# KiCad board JumperlessV5r7.kicad_pcb (continued)
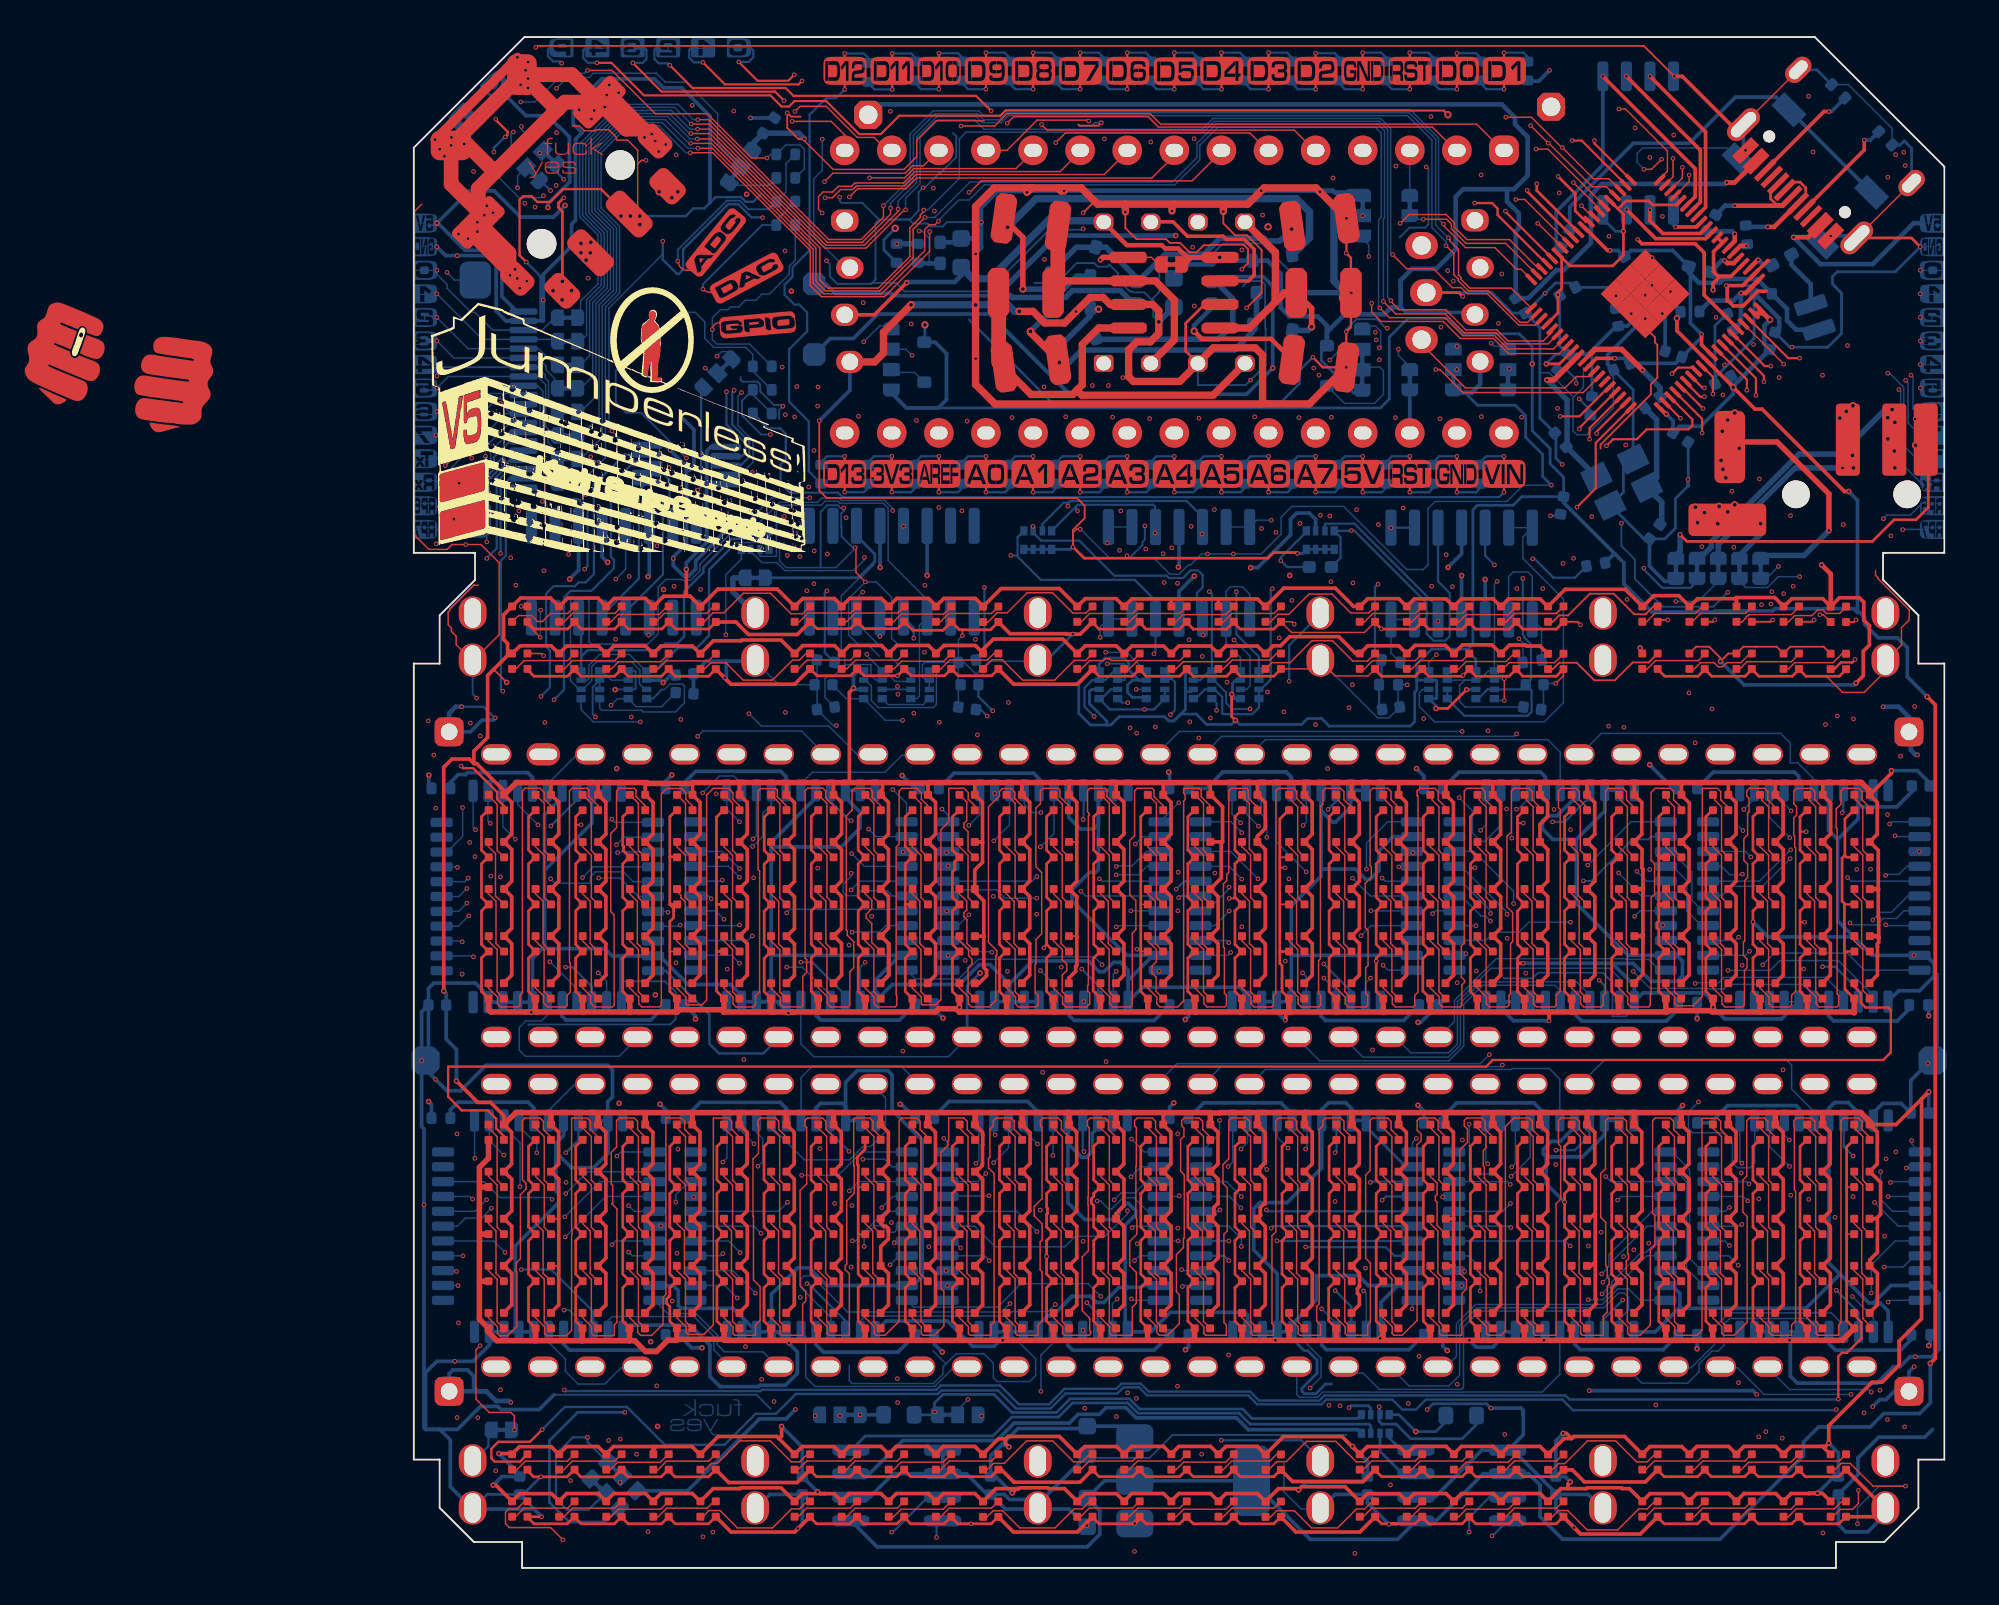
[diagram p0: board, top side]
## Routing (per net, layer and track width the routed paths; a pad name or vN(x,y) marks a point on that pad's centre or on a via; arc(x,y) is an arc through that point) (continued)
  Top w0.12: v1(41.02,79.74) 41.02,80.05 ; 41.02,81.44 v1(41.02,81.71)
  Bottom w0.12: v1(41.02,81.71) 42.02,81.71 42.29,81.44 42.29,81.22 ; 39.75,80.27 39.75,80.05 40.06,79.74 v1(41.02,79.74)
Net-(J1712-Pin_9): length 3.8
  Top w0.12: 43.56,80.05 43.56,79.74 v1(43.56,79.74) ; 43.56,81.44 v1(43.56,81.71)
  Bottom w0.12: 44.83,81.22 44.83,81.44 44.56,81.71 v1(43.56,81.71) ; v1(43.56,79.74) 42.6,79.74 42.29,80.05 42.29,80.27
Net-(J1712-Pin_10): length 3.8
  Top w0.12: 46.1,80.05 v1(46.1,79.74) ; 46.1,81.44 v1(46.1,81.71)
  Bottom w0.12: 47.37,81.22 47.37,81.44 47.1,81.71 v1(46.1,81.71) ; v1(46.1,79.74) 45.14,79.74 44.83,80.05 44.83,80.27
Net-(J1712-Pin_11): length 3.8
  Top w0.12: v1(48.64,79.74) 48.64,79.74 48.64,80.05 ; 48.64,81.44 v1(48.64,81.68)
  Bottom w0.12: 49.91,81.22 49.91,81.44 49.68,81.68 v1(48.64,81.68) ; 47.37,80.27 47.37,80.05 47.68,79.74 v1(48.64,79.74)
Net-(J1712-Pin_12): length 3.8
  Top w0.12: 51.18,81.44 v1(51.18,81.71) ; v1(51.18,79.74) 51.18,80.05
  Bottom w0.12: v1(51.18,81.71) 52.18,81.71 52.45,81.44 52.45,81.22 ; 49.91,80.27 49.91,80.05 50.22,79.74 v1(51.18,79.74)
Net-(J1712-Pin_13): length 3.8
  Top w0.12: v1(53.72,79.74) 53.72,80.05 ; 53.72,81.44 v1(53.72,81.71)
  Bottom w0.12: v1(53.72,81.71) 54.72,81.71 54.99,81.44 54.99,81.22 ; 52.45,80.27 52.45,80.05 52.76,79.74 v1(53.72,79.74)
Net-(J1712-Pin_14): length 3.8
  Top w0.12: 56.26,81.44 v1(56.26,81.68) ; v1(56.26,79.74) 56.26,80.05
  Bottom w0.12: v1(56.26,81.68) 57.3,81.68 57.53,81.44 57.53,81.22 ; 54.99,80.27 54.99,80.05 55.3,79.74 v1(56.26,79.74)
Net-(J1712-Pin_15): length 3.8
  Top w0.12: 58.8,81.46 v1(58.8,81.71) ; 58.8,80.06 58.8,79.74 v1(58.8,79.74)
  Bottom w0.12: R31.2 60.07,81.5 59.86,81.71 v1(58.8,81.71) ; 57.53,80.29 57.53,80.06 57.85,79.74 v1(58.8,79.74)
Net-(JP3-A): length 26.8
  Bottom w0.08: 24.87,54.27 24.87,54.23 24.81,54.16 ; 23.25,48.69 23.25,49.25 23.05,49.45 23.05,52.41 24.81,54.16 ; 23.25,48.69 23.27,48.72 24.65,48.72 24.65,48.16 24.93,47.88 RN4.2 ; 23.25,48.69 22.61,48.06 22.28,48.06 22.18,47.95 22.18,46.94 C1806.1 ; 24.81,54.16 24.81,54.09 24.11,53.39 JP3.1
  Bottom w0.15: JP3.1 23.99,53.39 24.87,54.27 24.87,54.66 23.88,55.66 U1807.3
Net-(JP4-A): length 78.7
  Top w0.08: v1(5.42,7.44) 5.42,8.19 5.23,8.39 4.07,8.39 3.35,9.1 3.35,11.76 v1(3.58,11.98)
  In1.Cu w0.08: v1(26.36,45.71) 25.8,45.15 3.86,45.15 v1(3.58,44.86)
  In2.Cu w0.08: v1(26.36,45.71) 26.36,47.6 26.55,47.79 26.55,49.57 26.36,49.76 26.36,56.11 v1(26.42,56.17) ; v1(3.58,44.86) 3.45,44.74 3.45,43.34 2.24,42.12 2.24,38.69 2.72,38.21 2.72,37.47 2.51,37.27 2.51,34.5 2.95,34.07 2.95,32.42 3.12,32.24 3.12,22.6 3.54,22.18 3.54,12.02 v1(3.58,11.98) 3.54,11.95
  Bottom w0.08: C1807.1 23.33,46.88 RN4.5 25.43,45.71 v1(26.36,45.71)
Net-(JP10-C): length 3.5
  In2.Cu w0.2: A1.4 v1(51.18,72.92)
Net-(JP11-A): length 2.8
  Bottom w0.08: R33.2 19.16,74.56 JP11.1
Net-(JP11-C): length 40.6
  In2.Cu w0.08: v1(2.17,56.56) 2.17,57.42 2.97,58.22 2.97,59.14 2.06,60.05 2.06,72.55 3.53,74.02 3.53,77.2 4,77.66 4.17,77.66 4.39,77.88 5.61,77.88 7.52,79.79 v1(7.7,79.79)
  Bottom w0.08: 2.06,56.56 v1(2.17,56.56) ; v1(7.7,79.79) 8.28,80.37 9.45,80.37 9.68,80.6 13.08,80.6 13.56,80.12 14.69,80.12 16.39,78.41 16.39,76.81 JP11.2
Net-(JP12-C): length 3.7
  In2.Cu w0.2: v1(56.25,64.63) 56.26,64.62 56.26,61.14
  Bottom w0.2: JP12.2 56.17,64.62 56.17,64.63 v1(56.25,64.63)
Net-(JP33-A): length 17.2
  Top w0.08: U5.18 60.68,70.05 59.1,71.63 56.8,71.63 56.12,72.32 56.12,72.54 55.68,72.98 53.68,72.98 v1(53.2,72.5)
  In2.Cu w0.08: v1(53.2,72.5) 53.11,72.41 v1(53.11,65.72)
  Bottom w0.08: JP7.2 53.11,65.39 v1(53.11,65.72)
Net-(JP33-B): length 8.2
  Top w0.08: v1(54.45,72.73) 55.7,72.73 55.96,72.47 55.96,72.22 56.75,71.43 58.89,71.43 U5.19
  Bottom w0.08: JP8.2 53.76,72.73 v1(54.45,72.73)
Net-(L2-Pad2): length 3.2
  Bottom w0.25: L2.2 75.35,69.23 74.31,70.27 R90.1
Net-(R32-Pad1): length 11.5
  Top w0.08: TP18.1 14.73,69.98 arc(14.43,70.09) 14.28,70.37 14.28,70.42 v1(14.24,70.46)
  Bottom w0.08: R34.2 20.08,74.21 20.08,75.73 R32.1
  Bottom w0.1: R34.2 19.14,73.27 18.04,73.27 17.58,73.73 16.89,73.73 14.24,71.08 v1(14.24,70.46)
Net-(R34-Pad1): length 7.9
  Top w0.08: TP24.1 16.03,68.78 arc(15.79,68.83) v1(15.6,68.96)
  Bottom w0.08: R34.1 19.56,72.67 R35.2
  Bottom w0.1: v1(15.6,68.96) 15.6,69.22 18.79,72.42 R35.2
Net-(R35-Pad1): length 13.8
  Top w0.08: 16.7,67.38 16.48,67.15 arc(16.21,67.04) v1(16.1,66.78)
  Top w0.1: TP16.1 16.7,67.38
  Bottom w0.08: R35.1 20.58,70.52 20.26,70.2 20.26,69.77 19.18,68.69 18.78,68.69 18.45,68.36 17.88,68.36 17.53,68 17.09,68 16.94,67.85 16.54,67.85 16.1,67.41 v1(16.1,66.78) 16.1,66.23 16.33,66 18.1,66 R36.2
Net-(RN2A-R1.1): length 1.7
  Bottom w0.15: 53.87,6.55 53.07,6.55 52.61,7.01 RN2.1
Net-(RN2B-R2.1): length 3.2
  Bottom w0.15: RN2.2 52.11,6.29 53.17,5.23 53.92,5.23
Net-(RN2C-R3.1): length 30
  Bottom w0.15: U4.8 24.35,7.11 31.24,7.11 32.26,8.14 34.77,8.14 35.53,8.9 38.51,8.9 39.06,8.34 44.52,8.34 45.11,7.75 51.52,7.75 51.61,7.66 RN2.3
Net-(RN2D-R4.1): length 30.6
  Bottom w0.2: 23.81,5.08 23.56,5.08 ; RN2.4 50.92,7.45 45.01,7.45 44.37,8.09 38.96,8.09 38.41,8.64 37.34,8.64 36.98,8.28 35.83,8.28 35.36,7.81 32.39,7.81 31.44,6.87 26.37,6.87 24.58,5.08 U4.7 22.8,5.08
Net-(RN7A-R1.2): length 7.2
  In1.Cu w0.08: v1(59.61,50.11) 58.99,49.49 55.4,49.49 v1(55.16,49.25)
  Bottom w0.08: v1(59.61,50.11) 59.82,49.89 R81.2 ; v1(55.16,49.25) 54.75,48.83 RN7.8
Net-(RN7C-R3.2): length 21.7
  Bottom w0.08: U7.6 U7.7 59.82,55.59 59.82,54.44 62.01,52.25 62.01,46.66 60.97,45.62 55.06,45.62 54.24,46.44 54.24,47.2 54.42,47.38 RN7.6
Net-(RN8D-R4.2): length 87.7
  In2.Cu w0.08: v1(11.13,4.61) 10.08,5.65 10.08,7.12 10.62,7.65 10.62,13.98 9.91,14.69 9.91,24.98 10.46,25.53 10.46,29.27 10.36,29.37 10.36,37.88 10.11,38.13 10.11,40.34 10.48,40.71 10.48,43.28 10.64,43.44 v1(10.64,46.52) 10.41,46.74 10.41,52.84 v1(10.9,53.32) 9.92,54.3 9.92,58.89 8.32,60.49 8.32,68.14 8.84,68.66 8.84,69.34 8.7,69.49 8.7,72.44 7.17,73.97 7.02,73.97 v1(6.99,73.99)
  Bottom w0.08: v1(10.9,53.32) 11.43,53.86 U10.5 ; U12.3 11.13,4.83 v1(11.13,4.61) ; NOREF#5.4 2.13,77.76 3.97,75.92 3.97,75.59 5.67,73.89 6.89,73.89 v1(6.99,73.99) ; C10.1 13.36,46.44 12,46.44 RN8.5 10.99,46.88 v1(10.64,46.52)
Net-(RN10A-R1.1): length 1.7
  Bottom w0.08: RN10.1 10.17,48.38 10.67,47.88 RN8.7
Net-(RN10A-R1.2): length 18.9
  Bottom w0.08: 19.04,55.47 19.17,55.59 RN12.8
  Bottom w0.13: U10.14 9.03,51.11 RN10.8 9.03,49.14 9.37,49.49 13.21,49.49 13.56,49.84 14.2,49.84 14.58,50.22 14.58,52.64 15.62,53.68 15.62,53.96 17.16,55.5 19.12,55.5 19.17,55.54 RN12.8
Net-(RN10B-R2.2): length 16.8
  Bottom w0.08: RN8.1 12.51,48.38 11.63,49.26 10.02,49.26 9.44,48.68 9.44,47.96 9.36,47.88 RN10.7 ; 17.35,55.29 19.13,55.29 19.17,55.25 RN12.1
  Bottom w0.1: 17.35,55.29 17.35,55.25 17.22,55.13
  Bottom w0.13: 17.22,55.13 15.93,53.83 15.93,50.27 15.27,49.61 14.25,49.61 13.01,48.38 RN8.1
Net-(RN10C-R3.2): length 26.7
  Bottom w0.08: RN8.3 12.46,47.38 12.18,47.67 12.18,48.15 12.2,48.17 12.2,48.42 11.75,48.86 9.85,48.86 9.6,48.61 9.6,47.85 9.13,47.38 RN10.6 8.93,47.38 8.45,47.85 8.45,52.17 8.63,52.34 9.29,52.34 9.45,52.18 9.45,49.94 9.58,49.82 12.62,49.82 13.18,50.38 13.18,52.89 13.6,53.3 14.43,53.3 14.46,53.27 14.94,53.27 15.43,53.76 15.43,54.12 17.23,55.92 RN12.5
Net-(RN10D-R4.1): length 8.7
  Bottom w0.08: RN10.4 10.03,46.37 10.14,46.25 12.28,46.25 12.37,46.16 14.11,46.16 14.6,46.65 14.6,47.56 14.5,47.66 13.81,47.66 13.52,47.37 13.39,47.37
  Bottom w0.1: RN8.4 12.89,46.88 13.39,47.37
Net-(RN10D-R4.2): length 19
  In1.Cu w0.08: v1(16.83,50.32) 16.82,50.3 v1(12.67,50.3)
  In2.Cu w0.08: v1(12.22,45.62) 12.67,46.07 v1(12.67,50.3)
  Bottom w0.08: v1(12.67,50.3) 12.67,51.21 U10.11 ; RN10.5 9.03,46.29 9.69,45.62 v1(12.22,45.62) ; RN12.4 17.67,54.92 17.67,54.4 16.83,53.56 v1(16.83,50.32)
Net-(RN12B-R2.1): length 21.8
  Bottom w0.08: RN12.2 18.67,54.59 18.71,54.55 19.56,54.55 19.56,57.07 19.8,57.31 21.97,57.31 22.18,57.52 22.88,57.52 22.99,57.41 25.32,57.41 25.59,57.15 25.59,54.32 27.69,52.22 U1807.11 27.28,50.84 27.28,47.02 27.14,46.88 RN19.5
Net-(RN12B-R2.2): length 20.8
  In2.Cu w0.08: v1(25.83,57.02) 26.09,56.75 26.09,49.81 26.4,49.5 26.4,47.86 26.09,47.55 v1(26.09,47.54)
  Bottom w0.08: v1(25.83,57.02) 25.83,57.13 25.39,57.57 23.05,57.57 22.93,57.69 22,57.69 21.77,57.47 19.74,57.47 18.67,56.39 RN12.7 ; RN19.6 RN4.3 25.93,47.38 v1(26.09,47.54)
Net-(RN12C-R3.1): length 15.8
  In2.Cu w0.08: v1(24.31,54.49) 24.31,54.44 24.32,54.43 24.32,53.69 24.83,53.17 24.83,51.71 24.44,51.31 v1(24.44,49.27)
  Bottom w0.08: 18.17,54.78 RN12.3 18.17,54.82 18.78,54.21 19.59,54.21 20.02,53.78 21.87,53.78 21.87,53.78 22.01,53.78 22.01,53.78 23.73,53.78 24.31,54.36 v1(24.31,54.49) ; v1(24.44,49.27) 24.44,49.2 RN4.1 25.4,48.38 25.98,47.8 26.73,47.8 RN19.7
Net-(RN12C-R3.2): length 18.5
  In1.Cu w0.08: v1(21.2,52.7) 21.61,52.7 21.95,52.36 22.96,52.36 23.23,52.62 v1(24.22,52.62)
  In2.Cu w0.08: v1(21.2,52.7) 21.21,52.71 21.21,57.56 v1(21.36,57.71)
  Bottom w0.08: RN12.6 18.17,56.56 19.31,57.71 v1(21.36,57.71) ; v1(24.22,52.62) 23.88,52.28 U1807.14 23.88,50.97 26.47,48.38 RN19.8
Net-(RN13A-R1.2): length 10.7
  In2.Cu w0.08: v1(37.41,55.27) 37.41,49.47 v1(37.31,49.37)
  Bottom w0.08: v1(37.41,55.27) 37.47,55.33 U11.1 U11.2 ; v1(37.31,49.37) 38.46,49.37 39.45,48.38 RN13.8
Net-(RN13C-R3.2): length 19.6
  In1.Cu w0.08: v1(46.04,47.23) 45.87,47.4 38.99,47.4 v1(38.97,47.38)
  In2.Cu w0.08: v1(46.04,47.23) 46.04,56.29 v1(46.25,56.5)
  Bottom w0.08: U11.6 U11.7 45.45,56.5 v1(46.25,56.5) ; RN13.6 v1(38.97,47.38)
Net-(RN16A-R1.2): length 7.5
  Bottom w0.08: RN16.8 44.59,49.11 43.81,49.88 U11.9 43.81,52.67 44.05,52.91 44.68,52.91 45.09,52.51 U11.8
Net-(RN16C-R3.2): length 13.3
  In1.Cu w0.08: v1(44.24,50.04) 44.22,50.05 42.28,50.05 42.03,50.31 37.16,50.31 v1(37.03,50.18)
  Bottom w0.08: v1(37.03,50.18) 37.03,50.74 U11.14 U11.13 ; RN16.6 44.92,47.38 45.11,47.56 45.11,49.17 v1(44.24,50.04)
Net-(RN19A-R1.1): length 7.2
  Bottom w0.08: RN4.7 24.36,47.88 24.68,47.56 24.68,46.77 25.06,46.4 28.01,46.4 28.19,46.57 28.19,48.32 28.14,48.38 RN19.1
Net-(RN19D-R4.1): length 2.8
  Bottom w0.08: RN19.4 27.49,46.56 25.58,46.56 RN4.4
Net-(SW3-S1): length 21.6
  Top w0.3: SW3.2 9.53,70.92 v3(9.53,70.92)
  In1.Cu w0.15: v3(9.3,70.52) 13.68,70.52 14.82,69.37 15.72,69.37 17.81,71.47 25.98,71.47 v1(26.04,71.4)
  Bottom w0.3: v3(9.53,70.92) 9.53,71.46 v3(9.55,71.48) ; v3(9.53,70.92) v3(9.02,70.92) ; v3(9.53,70.92) 9.53,70.75 v3(9.3,70.52) ; v3(9.53,70.92) v3(9.02,71.42) ; R22.1 v1(26.04,71.4)
Net-(TP28-Pin_1): length 7.5
  Top w0.08: TP28.1 14.64,67.76 14.68,67.76
  Bottom w0.08: v1(14.6,67.71) 15.18,67.71 15.69,67.19 15.69,66.3 16.18,65.82 17.91,65.82 18.29,65.44 R36.1 18.29,64.55 R37.2
Net-(TP28-Pin_2): length 17.5
  Top w0.08: v1(11.13,64.79) 11.07,64.74
  In1.Cu w0.1: v1(19.23,61.12) 15.98,61.12 v1(14.71,59.85)
  Bottom w0.08: R38.2 18.29,63.28 R37.1
  Bottom w0.1: v1(19.23,61.12) 18.73,61.12 17.7,62.15 17.7,62.94 R37.1 ; v1(11.13,64.79) 10.9,64.56 10.9,62.85 11.46,62.29 12.27,62.29 v1(14.71,59.85)
Net-(TP28-Pin_3): length 45
  Top w0.08: v1(9.37,80.75) 10.69,80.75 13.03,78.42 15.82,78.42 18.21,76.03 v1(19.05,76.03)
  In2.Cu w0.08: v1(5.77,79.05) 4.12,79.05 3.07,78 3.07,75.9 0.76,73.59 0.76,59.14 1.4,58.5 v1(2.44,58.5)
  Bottom w0.08: v1(19.05,76.03) 19.25,76.23 R32.2 20.07,76.74 20.84,76.74 21.07,76.51 21.07,75.45 R33.1 ; v1(9.37,80.75) 9.22,80.6 8.08,80.6 6.53,79.05 v1(5.77,79.05)
Net-(U5-USB_DM): length 1
  Top w0.25: v1(71.88,71.3) 71.56,71.3 U5.66
  Bottom w0.15: R86.2 71.92,71.33 v1(71.88,71.3)
Net-(U5-USB_DP): length 2.5
  Top w0.25: v1(71.25,71.93) 71.25,71.55 U5.67
  Bottom w0.25: v1(71.25,71.93) 71.11,72.07 R85.2
Net-(U5-VREG_FB): length 1.9
  Top w0.25: U5.65 71.18,70.36 70.85,70.36 v1(70.7,70.5)
  Bottom w0.25: R80.2 70.55,70.5 v1(70.7,70.5)
Net-(U7C--): length 8.5
  Bottom w0.08: U7.9 59.06,53.46 59.3,53.7 60.1,53.7 60.33,53.47 U7.8 60.83,50.64 R81.1
Net-(U7D--): length 3.8
  Bottom w0.08: R87.1 52.7,49.33 U7.14 U7.13
unconnected-(TP28-Pin_5-Pad5): length 13.5
  Top w0.08: TP28.5 2.03,59.77 v1(1.7,59.44)
  In2.Cu w0.08: v1(1.79,69.86) 1.91,69.74 1.91,59.65 v1(1.7,59.44)
  Bottom w0.08: 3.32,69.45 2.2,69.45 v1(1.79,69.86)
unconnected-(TP28-Pin_6-Pad6): length 7.5
  Top w0.08: TP28.6 3.07,60.69 3.07,59.9 v1(3.12,59.85)
  In2.Cu w0.08: v1(3.12,59.85) 3.56,59.42 3.56,58.18 3.33,57.94 3.33,57.11 3.94,56.5 v1(3.94,55.33)
  Bottom w0.08: v1(3.94,55.33) 3.94,55.93 3.32,56.55

## Copper pours and planes (outline as drawn; the poured copper is in the pictures)
GND on Top: 82.92,47.62 -0.9,47.62 -0.9,50.16 82.92,50.16
GND on Top: 82.91,47.62 82.78,-1.08 79.38,-1.08 79.38,47.62
GND on Top: -1.27,1.27 -1.27,50.17 3.18,50.17 3.18,1.27
GND on Top: -0.49,4.44 83.33,4.44 83.33,-0.64 -0.49,-0.64
GND on Top: -35.97,46.01 -1.41,46.6 3.7,50.16 3.7,52.19 4.94,52.7 77.59,52.7 78.88,52.19 78.88,50.16 82.92,47.62 119.28,47.81 116.56,117.63 -35.61,115.96
GND on Top: 1.31,63.34 1.31,60.55 1.64,59.81 3.42,60.06 4.44,60.32 3.93,62.09 4.69,62.35 4.18,63.62 3.93,64.38 2.4,63.87
GND on Top, Bottom, In1.Cu, In2.Cu: 250.32,75.12 155.54,75.12 153.84,73.42 153.84,-11.21 155.33,-12.7 248.83,-12.7 252.66,-8.87 252.66,72.28 250.1,74.84 250.32,75.06
GND on Bottom, In1.Cu, In2.Cu: -7.19,110.73 116.48,117.43 124.33,-27.09 -38.13,-32.02 -35,92.16 -28.73,108.72
(no net) on Top: 13.06,69.04 13.33,68.99 13.79,68.79 14.07,68.61 14.33,68.36 14.53,68.13 14.73,67.8 14.88,67.44 15.01,67.01 15.09,66.58 15.09,66.15 15.06,65.67 14.96,65.21 14.78,64.75 14.55,64.35 14.33,64.07 14.1,63.84 13.64,63.53 13.13,63.38 12.73,63.36 12.37,63.43 12.01,63.56 11.71,63.76 11.41,64.01 11.18,64.29 10.84,64.98 10.72,65.31 10.64,65.71 10.59,66.12 10.62,66.56 10.69,67.04 10.85,67.52 11.07,67.95 11.35,68.33 11.68,68.64 11.99,68.84 12.4,68.99 12.62,69.04
1 on Top: 5.71,47.62 5.71,27.31 3.18,27.31 3.18,47.62
2 on Top: 8.25,47.62 8.25,27.31 5.71,27.31 5.71,47.62
3 on Top: 10.79,47.62 10.79,27.31 8.25,27.31 8.25,47.62
4 on Top: 13.33,47.62 13.33,27.31 10.79,27.31 10.79,47.62
5 on Top: 15.88,47.62 15.88,27.31 13.33,27.31 13.33,47.62
6 on Top: 18.42,47.62 18.42,27.31 15.88,27.31 15.88,47.62
7 on Top: 20.96,47.62 20.96,27.31 18.42,27.31 18.42,47.62
8 on Top: 23.5,47.62 23.5,27.31 20.96,27.31 20.96,47.62
9 on Top: 26.04,47.62 26.04,27.31 23.5,27.31 23.5,47.62
10 on Top: 28.57,47.62 28.57,27.31 26.04,27.31 26.04,47.62
11 on Top: 31.11,47.62 31.11,27.31 28.57,27.31 28.57,47.62
12 on Top: 33.66,47.62 33.66,27.31 31.11,27.31 31.11,47.62
13 on Top: 36.2,47.62 36.2,27.31 33.66,27.31 33.66,47.62
14 on Top: 38.73,47.62 38.73,27.31 36.2,27.31 36.2,47.62
15 on Top: 41.28,47.62 41.28,27.31 38.73,27.31 38.73,47.62
16 on Top: 43.81,47.62 43.81,27.31 41.28,27.31 41.28,47.62
17 on Top: 46.36,47.62 46.36,27.31 43.81,27.31 43.81,47.62
18 on Top: 48.9,47.62 48.9,27.31 46.36,27.31 46.36,47.62
19 on Top: 51.44,47.62 51.44,27.31 48.9,27.31 48.9,47.62
20 on Top: 53.98,47.62 53.98,27.31 51.44,27.31 51.44,47.62
21 on Top: 56.52,47.62 56.52,27.31 53.98,27.31 53.98,47.62
22 on Top: 59.06,47.62 59.06,27.31 56.52,27.31 56.52,47.62
23 on Top: 61.59,47.62 61.59,27.31 59.06,27.31 59.06,47.62
24 on Top: 64.14,47.62 64.14,27.31 61.59,27.31 61.59,47.62
25 on Top: 66.67,47.62 66.67,27.31 64.14,27.31 64.14,47.62
26 on Top: 69.22,47.62 69.22,27.31 66.67,27.31 66.67,47.62
27 on Top: 71.76,47.62 71.76,27.31 69.22,27.31 69.22,47.62
28 on Top: 74.3,47.62 74.3,27.31 71.76,27.31 71.76,47.62
29 on Top: 76.84,47.62 76.84,27.31 74.3,27.31 74.3,47.62
30 on Top: 79.38,47.62 79.38,27.31 76.84,27.31 76.84,47.62
31 on Top: 5.71,27.31 5.71,6.99 3.18,6.99 3.18,27.31
32 on Top: 8.25,27.31 8.25,6.99 5.71,6.99 5.71,27.31
33 on Top: 10.79,27.31 10.79,6.99 8.25,6.99 8.25,27.31
34 on Top: 13.33,27.31 13.33,6.99 10.79,6.99 10.79,27.31
35 on Top: 15.88,27.31 15.88,6.99 13.33,6.99 13.33,27.31
36 on Top: 18.42,27.31 18.42,6.99 15.88,6.99 15.88,27.31
37 on Top: 20.96,27.31 20.96,6.99 18.42,6.99 18.42,27.31
38 on Top: 23.5,27.31 23.5,6.99 20.96,6.99 20.96,27.31
39 on Top: 26.04,27.31 26.04,6.99 23.5,6.99 23.5,27.31
40 on Top: 28.57,27.31 28.57,6.99 26.04,6.99 26.04,27.31
41 on Top: 31.11,27.31 31.11,6.99 28.57,6.99 28.57,27.31
42 on Top: 33.66,27.31 33.66,6.99 31.11,6.99 31.11,27.31
43 on Top: 36.2,27.31 36.2,6.99 33.66,6.99 33.66,27.31
44 on Top: 38.73,27.31 38.73,6.99 36.2,6.99 36.2,27.31
45 on Top: 41.28,27.31 41.28,6.99 38.73,6.99 38.73,27.31
46 on Top: 43.81,27.31 43.81,6.99 41.28,6.99 41.28,27.31
47 on Top: 46.36,27.31 46.36,6.99 43.81,6.99 43.81,27.31
48 on Top: 48.9,27.31 48.9,6.99 46.36,6.99 46.36,27.31
49 on Top: 51.44,27.31 51.44,6.99 48.9,6.99 48.9,27.31
50 on Top: 53.98,27.31 53.98,6.99 51.44,6.99 51.44,27.31
51 on Top: 56.52,27.31 56.52,6.99 53.98,6.99 53.98,27.31
52 on Top: 59.06,27.31 59.06,6.99 56.52,6.99 56.52,27.31
53 on Top: 61.59,27.31 61.59,6.99 59.06,6.99 59.06,27.31
54 on Top: 64.14,27.31 64.14,6.99 61.59,6.99 61.59,27.31
55 on Top: 66.67,27.31 66.67,6.99 64.14,6.99 64.14,27.31
56 on Top: 69.22,27.31 69.22,6.99 66.67,6.99 66.67,27.31
57 on Top: 71.76,27.31 71.76,6.99 69.22,6.99 69.22,27.31
58 on Top: 74.3,27.31 74.3,6.99 71.76,6.99 71.76,27.31
59 on Top: 76.84,27.31 76.84,6.99 74.3,6.99 74.3,27.31
60 on Top: 79.38,27.31 79.38,6.99 76.84,6.99 76.84,27.31
BOTTOM_RAIL on Top: 2.68,6.98 80.15,6.98 80.15,4.44 2.68,4.44
GPIO_6 on Top: 1.35,55.35 1.32,56.98 1.3,57.11 1.3,59.09 1.37,59.14 1.37,59.39 1.35,59.47 1.32,59.57 1.32,63.63 0.99,63.76 0.94,66.38 0.91,66.5 1.22,66.58 2.08,66.91 2.11,66.94 2.11,67.5 2.54,67.34 3.48,68.23 4.8,67.88 4.85,67.83 5.82,67.42 5.97,67.37 5.97,67.32 5.99,67.11 10.7,65.09 10.85,64.83 11.18,64.29 11.41,64.01 11.65,63.79 12.01,63.56 12.54,63.38 12.91,63.07 12.71,63.05 12.56,63.01 12.38,62.66 12.43,62.31 10.38,62.18 10.32,61.8 12.58,60.99 9.61,60.9 9.55,60.48 12.7,59.48 9.15,59.44 9.15,59.01 13.07,57.81 9.03,57.89 8.97,57.41 12.76,56.4 9.19,56.13 9.16,55.73 13.05,54.78 8.33,54.8 3.96,55.79 1.96,55.35
GPIO_7 on Top: outline of 118 points within 8.77,54.78 21.13,63.76
TOP_RAIL on Top: 3.7,52.19 4.94,52.7 77.59,52.7 78.88,52.19 78.88,50.16 3.7,50.16

Small or netless copper shapes (teardrops, artwork), in the pictures only: 28 on Top, 7 on Bottom

## Text on the board
B.Silkscreen: - | RP6 | I2C 1 | SDA | RP7 | I2C 0 | SCL | GND | 27 | 26 | 24 | 19 | 18 | 23 | 25 | S | G | 3 | M | Probe | 2 | 1 | B | T | P | DAC 1 | I Sense | -9V | +9V | 5V | DIO | CLK | OLED | Made with love by Elecrow in Shenzhen | D1    D0   RST  GND   D2    D3    D4    D5    D6    D7    D8    D9    D10   D11   D12 | VIN  GND  RST  5V    A7    A6    A5    A4    A3    A2    A1    A0 AREF 3.3V  D13 | 0 | ADC | DAC | E | A | F | I | J | L | K | C | H | D | R SENSE | I SENSE
User.Comments: PCB3D_TL_V5 | PCB3D_BR_V5
User.2: PCB3D_TL_MAIN | PCB3D_BR_MAIN
